# Altium PCB OldBoard.PcbDoc (part 2 of 3)
Units mm, origin at the board's own origin, x right, y up, seen from the top; angles counter-clockwise.
Board outline 125 x 109.7 mm, 2 copper layers (L1_Top, L14_Bot), stack 1.671 mm thick; 198 components, 135 nets, 569 pads, 819 vias.
Unrouted connection lines stored in the file: 121.
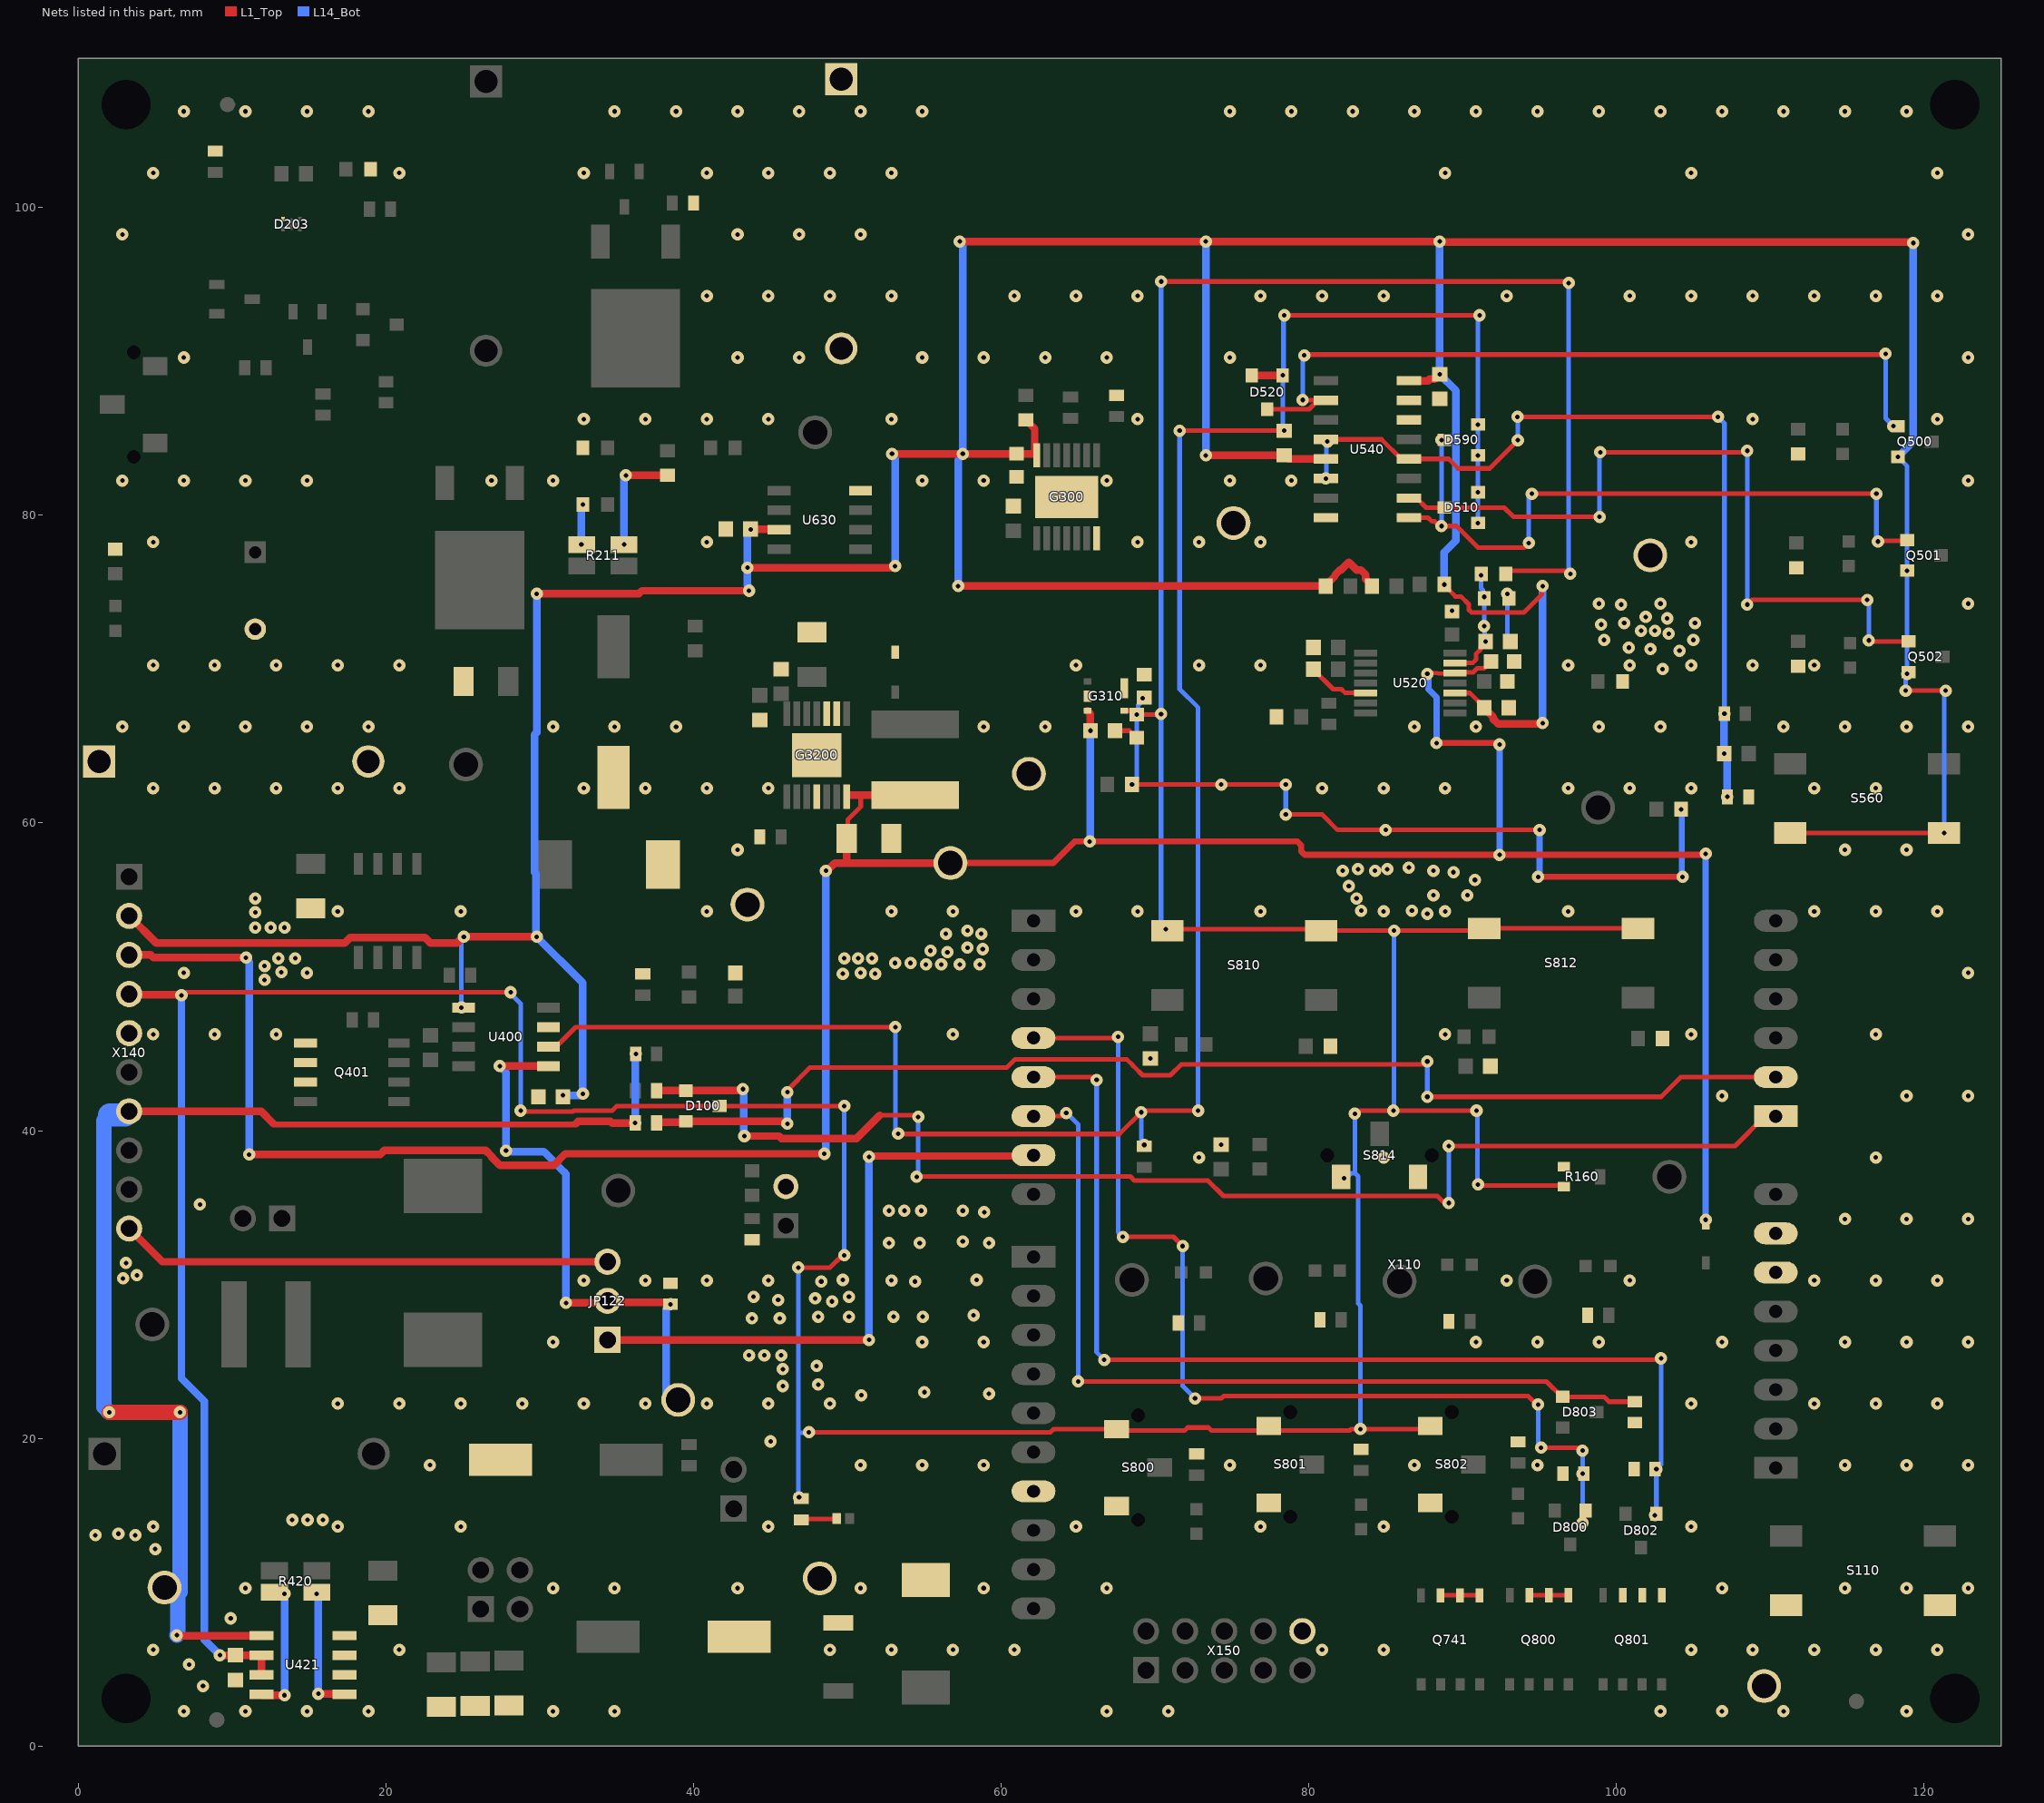
[diagram p2: the nets of this part, all layers, seen from the top]

## Part data (continued)
C213 C321 C324 C404 C700 C710 C711 C712: library part 648992, "CAP / CERA / 10uF / 50V / 20% / X5R (EIA) / -55°C to 85°C / 1206 (3216) / SMD / -", Manufacturer="Taiyo Yuden", Package Description="Capacitor,non-polarized,Chip;3.20mm L X 1.60mm W X 1.90mm H", Supplier Part Number 1=2779059, Temperature max=85, Temperature min=-55, Temperature Range=Military, Tolerance Neg=20%, Voltage DC (max)=50V, Alternate View=Yes, Application=Standard, Article Number=648992, Automotive Qualified=No, Combined Parameters="TC:X5R (EIA);Tol.:-20%/+20%;Vdc:50V", ComponentLink1Description="Vendor WebSite", ComponentLink1URL=http://www.yuden.co.jp/or/product/, ComponentLink2Description=Datasheet, ComponentLink2URL=http://webnetprod.muc.infineon.com/PCBPortal_Prod/WorkFlows/AltiumComponent/StandardDocumentation?Versionid=648993, ComponentStatus=Released, Manufacturer Order Number=UMK316BBJ106ML-T, Multiple Parts=No, PackageReference="1206 (3216)", Part Type=Capacitor, PLMStatus=Active, QuickPick="10uF / 50V / 20% / X5R (EIA) / 1206 (3216)", RoHS Compliant=Y, Second Source allowed=Yes, Style=Single, Supplier 1=Farnell, Supplier 2=DigiKey, Supplier 3=Mouser, Supplier Part Number 2=587-3248-1-ND, Supplier Part Number 3=963-UMK316BBJ106ML-T, Symbol Type="Capacitor; Single; Standard; 2 Pins", Technology=Ceramic, Tolerance Pos=20%, Type=Standard, Version Number=V00
C220 C300 C310 C320 C400 C401 C402 C500 C505 C520 C530 C533 C540 C630 C811 C813 C814: library part 479045, "CAP / CERA / 100nF / 50V / 10% / X7R (EIA) / -55°C to 125°C / 0603 / SMD / -", Manufacturer=AVX, Package Description="Capacitor,non-polarized,Chip;1.60mm L X 0.81mm W X 0.90mm H", Supplier Part Number 1=2280883, Temperature max=125, Temperature min=-55, Temperature Range=Military, Tolerance Neg=10%, Voltage DC (max)=50V, Alternate View=Yes, Application=Standard, Article Number=479045, Automotive Qualified=No, Combined Parameters="TC:X7R (EIA);Tol.:-10%/+10%;Vdc:50V", ComponentLink1Description="Vendor WebSite", ComponentLink1URL=http://www.avx.com, ComponentLink2Description=Datasheet, ComponentLink2URL=http://webnetprod.muc.infineon.com/PCBPortal_Prod/WorkFlows/AltiumComponent/StandardDocumentation?Versionid=479046, ComponentStatus=Released, Manufacturer Order Number=06035C104KAT2A, Multiple Parts=No, PackageReference=0603, Part Type=Capacitor, PLMStatus=Active, QuickPick="100nF / 50V / 10% / X7R (EIA) / 0603", RoHS Compliant=Y, Second Source allowed=Yes, Style=Single, Supplier 1=Farnell, Supplier 2=DigiKey, Supplier 3=Mouser, Supplier Part Number 2=478-5052-2-ND, Supplier Part Number 3=581-06035C104KAT2A, Symbol Type="Capacitor; Single; Standard; 2 Pins", Technology=Ceramic, Tolerance Pos=10%, Type=Standard, Version Number=V01
C221 C521 C522: library part 527788, "CAP / CERA / 1nF / 50V / 10% / X7R (EIA) / -55°C to 125°C / 0603 (1608) / SMD / -", Manufacturer="Wurth Elektronik", Package Description="Capacitor,non-polarized,Chip;1.60mm L X 0.80mm W X 0.87mm H", Supplier Part Number 1=2495178, Temperature max=125, Temperature min=-55, Temperature Range=Military, Tolerance Neg=10%, Voltage DC (max)=50V, Alternate View=Yes, Application=Standard, Article Number=527788, Automotive Qualified=No, Combined Parameters="TC:X7R (EIA);Tol.:-10%/+10%;Vdc:50V", ComponentLink1Description="Vendor WebSite", ComponentLink1URL=http://www.we-online.com, ComponentLink2Description=Datasheet, ComponentLink2URL=http://webnetprod.muc.infineon.com/PCBPortal_Prod/WorkFlows/AltiumComponent/StandardDocumentation?Versionid=527789, ComponentStatus=Released, Manufacturer Order Number=885012206083, Multiple Parts=No, PackageReference="0603 (1608)", Part Type=Capacitor, PLMStatus=Active, QuickPick="1nF / 50V / 10% / X7R (EIA) / 0603 (1608)", RoHS Compliant=Y, Second Source allowed=Yes, Style=Single, Supplier 1=Farnell, Supplier 2=DigiKey, Supplier 3=Mouser, Supplier Part Number 2=732-8001-1-ND, Supplier Part Number 3=710-885012206083, Symbol Type="Capacitor; Single; Standard; 2 Pins", Technology=Ceramic, Tolerance Pos=10%, Type=Standard, Version Number=V01
C301 C311 C312 C506: library part 310650, "CAP / CERA / 2.2uF / 25V / 10% / X5R (EIA) / -55°C to 85°C / 0603(1608) / SMD / -", Legacy PartNumber=CAP01010924, Manufacturer=MuRata, Package Description="Capacitor,non-polarized,Chip;1.60mm L X 0.80mm W X 0.90mm H", Package Imperial=0603, Package Metric=1608, Supplier Part Number 1=1845734RL, Temperature max=85, Temperature min=-55, Temperature Range=Military, Tolerance Neg=10%, Voltage DC (max)=25V, Alternate View=Yes, Article Number=310650, Automotive Qualified=No, Combined Parameters="TC:X5R (EIA);Tol.:-10%/+10%;Vdc:25V", ComponentLink1Description="Vendor WebSite", ComponentLink1URL=http://www.murata.com/, ComponentLink2Description=Datasheet, ComponentLink2URL=http://webnetprod.muc.infineon.com/PCBPortal_Prod/WorkFlows/AltiumComponent/StandardDocumentation?Versionid=310651, ComponentStatus=Released, Legacy DeviceID=CAP01010924, Manufacturer Order Number=GRM188R61E225KA12D, Multiple Parts=No, PackageReference="0603 (1608M)", Part Type=Capacitor, PLMStatus=Active, QuickPick="2.2uF / 25V / 10% / X5R (EIA) / 0603 (1608M)", RoHS Compliant=Y, Second Source allowed=Yes, Style=Single, Supplier 1=Farnell, Supplier 2=DigiKey, Supplier 3=Mouser, Supplier Part Number 2=490-10731-2-ND, Supplier Part Number 3=81-GRM188R61E225KA2D, Symbol Type="Capacitor; Single; Standard; 2 Pins", Technology=Ceramic, Tolerance Pos=10%, Type=Standard, Version Number=V01
D100 D510 D520 D590 D800 D802 D803: library part 430837, "Silicon Schottky Diode, LS(nH) 1.8, VR 30V", Legacy PartNumber=IFX01401370, Manufacturer="Infineon Technologies", Package Description="SOT,0.95mm pitch;3 pin,1.30mm W X 2.90mm L X 1.10mm H body", Supplier Part Number 1=2725759, Temperature max=150, Temperature min=0, Temperature Range=Military, Voltage DC (max)=na, Application=Standard, Article Number=430837, Automotive Qualified="AEC Q101", Combined Parameters=Vf:800mV;If:200mA;Ur:30V;Ir:2uA;Pmax:230mW, ComponentLink1Description="Vendor WebSite", ComponentLink1URL=https://www.infineon.com/, ComponentLink2Description=Datasheet, ComponentLink2URL=http://webnetprod.muc.infineon.com/PCBPortal_Prod/WorkFlows/AltiumComponent/StandardDocumentation?Versionid=430838, ComponentStatus=Released, Legacy DeviceID=IFX01401370, Manufacturer Order Number=BAT54-05, PackageReference=PG-SOT23-3-11, Part Type=Diode, PLMStatus=Active, QuickPick="Schottky Diode / PG-SOT23-3-11", RoHS Compliant=Y, Second Source allowed=Yes, Style=Dual, Supplier 1=Farnell, Supplier 2=DigiKey, Supplier 3=Mouser, Supplier Part Number 2=BAT5405E6327HTSA1TR-ND, Supplier Part Number 3=726-BAT5405E6327HTSA, Symbol Type="Dual Diode Symbol 3 Pins, 1 Anode, 2 Anode, 3 Cathode", Type="Schottky Diode", Version Number=V01
D112 D320: library part 420617, "Medium Power AF Schottky Diode", Legacy PartNumber=IFX01400145, Manufacturer="Infineon Technologies", Package Description=SOD323, Temperature max=125, Temperature min=-65, Temperature Range=Military, Voltage DC (max)=na, Application=Standard, Article Number=420617, Automotive Qualified="AEC Q101", Combined Parameters=Vf:410mV;If:1A;Ur:30V;Ir:200uA;Pmax:-, ComponentLink1Description="Vendor WebSite", ComponentLink1URL=https://www.infineon.com/, ComponentLink2Description=Datasheet, ComponentLink2URL=http://webnetprod.muc.infineon.com/PCBPortal_Prod/WorkFlows/AltiumComponent/StandardDocumentation?Versionid=420618, ComponentStatus=Released, Legacy DeviceID=IFX01400145, Manufacturer Order Number=BAS3010A-03W, PackageReference=SOD323, Part Type=Diode, PLMStatus=Active, QuickPick="Schottky Diode / SOD323", RoHS Compliant=Y, Second Source allowed=Yes, Style=Single, Supplier 1=Farnell, Supplier 2=DigiKey, Supplier 3=Mouser, Supplier Part Number 2=BAS3010A03WE6327HTSA1TR-ND, Supplier Part Number 3=726-BAS3010A-03WE6, Symbol Type="Standard Schottky Diode Symbol, 1 Cathode, 2 Anode", Type="Schottky Diode", Version Number=V01
D200 D201 D202: library part 659605, "Voltage regulator diodes", Manufacturer=Nexperia, Package Description="SOT,0.95mm,pitch;3 pin,1.30mm W X 2.90mm L X 1.10mm H body", Supplier Part Number 1=1081407, Temperature max=150, Temperature min=-65, Temperature Range=Military, Voltage DC (max)=na, Alternate View=Yes, Application=Standard, Article Number=659605, Automotive Qualified="AEC Q101", Combined Parameters=Vf:900mV;If:10mA;Ur:8V;Ir:100nA;Pmax:250mW, ComponentLink1Description="Vendor WebSite", ComponentLink1URL=http://www.nexperia.com, ComponentLink2Description=Datasheet, ComponentLink2URL=http://webnetprod.muc.infineon.com/PCBPortal_Prod/WorkFlows/AltiumComponent/StandardDocumentation?Versionid=659606, ComponentStatus=Released, Manufacturer Order Number=BZX84-C12,215, Multiple Parts=No, PackageReference=SOT-23, Part Type=Diode, PLMStatus=Active, QuickPick="Zener Diode / SOT-23", RoHS Compliant=Y, Second Source allowed=Yes, Style=Single, Supplier 1=Farnell, Supplier 2=DigiKey, Supplier 3=Mouser, Supplier Part Number 2=1727-2936-1-ND, Supplier Part Number 3=771-BZX84-C12-T/R, Symbol Type="Standard Zener Diode, 3 Pins, 1 Anode, 2 Not Connected, 3 Cathode", Type="Zener Diode", Version Number=V00
D203: library part 699359, "High Bandwidth Low-Iq Programmable Shunt Regulator", Manufacturer="Texas Instruments", Package Description="X2SON, SMD, 5 pin, 1.00 mm L X 1.00 mm W X 0.40 mm H body", Temperature max=125, Temperature min=-40, Temperature Range=Automotive, Voltage DC (max)=na, Alternate View=Yes, Article Number=699359, Automotive Qualified=No, Combined Parameters="- - -;Vo:2.5V to 36V", ComponentLink1Description="Vendor WebSite", ComponentLink1URL=http://www.ti.com, ComponentLink2Description=Datasheet, ComponentLink2URL=http://webnetprod.muc.infineon.com/PCBPortal_Prod/WorkFlows/AltiumComponent/StandardDocumentation?Versionid=699360, ComponentStatus=Released, Legacy DeviceID=TI_ATL431LIAQDQNR, Manufacturer Order Number=ATL431LIAQDQNR, Multiple Parts=No, PackageReference="2SON or SOT23-3", Part Type="Power Supply", PLMStatus=Active, QuickPick="2SON or SOT23-3", RoHS Compliant=Y, Second Source allowed=Yes, Supplier 1=Farnell, Supplier 2=DigiKey, Supplier 3=Mouser, Supplier Part Number 2=296-ATL431LIAQDQNRCT-ND, Supplier Part Number 3=595-ATL431LIAQDQNR, Symbol Type="High Bandwidth Low-Iq Programmable Shunt Regulator", Version Number=V00
D210 D502 D503 D550 D741 D801 D804 D805 D806 D807 D808: library part 625459, "WL-SMCW SMT Mono-color Chip LED Waterclear, Red,630nm", Manufacturer="Wurth Elektronik", Package Description="LED,Side Concave; 2 pin,1.60mm W X 0.80mm L X 0.80mm H", Supplier Part Number 1=2322071, Temperature max=85, Temperature min=-40, Temperature Range=Industrial, Voltage DC (max)=na, Application=Standard, Article Number=625459, Automotive Qualified=No, Combined Parameters=Vf:2.4V;If:30mA;Ur:5V;Ir:10uA;Pmax:72mW, ComponentLink1Description="Vendor WebSite", ComponentLink1URL=http://www.we-online.com, ComponentLink2Description=Datasheet, ComponentLink2URL=http://webnetprod.muc.infineon.com/PCBPortal_Prod/WorkFlows/AltiumComponent/StandardDocumentation?Versionid=625460, ComponentStatus=Released, Manufacturer Order Number=150060RS75000, PackageReference="1608 (0603)", Part Type=Diode, PLMStatus=Active, QuickPick="LED / 1608 (0603)", RoHS Compliant=Y, Second Source allowed=Yes, Style=Single, Supplier 1=Farnell, Supplier 2=DigiKey, Supplier 3=Mouser, Supplier Part Number 2=732-4978-1-ND, Supplier Part Number 3=710-150060RS75000, Symbol Type="Standard LED Symbol, 1 Cathode, 2 Anode", Type=LED, Version Number=V01
D211: library part 646382, "TVS Diode, Low Profile Package, Built in Strain Relief, Glass Passivated Chip Junction", Manufacturer=Littelfuse, Package Description="Diode,Molded Body;7.94mm L X 5.905mm W X 2.62mm H", Supplier Part Number 1=2777300, Temperature max=150, Temperature min=-65, Temperature Range=Military, Voltage DC (max)=na, Application=Standard, Article Number=646382, Automotive Qualified=No, Combined Parameters=Vf:5V;If:-;Ur:20V;Ir:2uA;Pmax:6.5W, ComponentLink1Description="Vendor WebSite", ComponentLink1URL=http://www.littelfuse.com/, ComponentLink2Description=Datasheet, ComponentLink2URL=http://webnetprod.muc.infineon.com/PCBPortal_Prod/WorkFlows/AltiumComponent/StandardDocumentation?Versionid=646383, ComponentStatus=Released, Manufacturer Order Number=SMDJ20A, PackageReference=DO-214AB, Part Type=Diode, PLMStatus=Active, QuickPick="TVS Diode / DO-214AB", RoHS Compliant=Y, Second Source allowed=Yes, Style=Single, Supplier 1=Farnell, Supplier 2=DigiKey, Supplier 3=Mouser, Supplier Part Number 2=SMDJ20ACT-ND, Supplier Part Number 3=576-SMDJ20A, Symbol Type="Transient Voltage Suppressor Diode (TVS, TAZ), 1 Cathode, 2 Anode", Type="TVS Diode", Version Number=V01
D730: library part 646377, "Surface Mount Transient Voltage Suppressors, Unidirectional, Very Fast Response Time", Manufacturer=Vishay, Package Description="Diode,Molded Body;7.94mm L X 5.905mm W X 2.62mm H", Temperature max=150, Temperature min=-55, Temperature Range=Military, Voltage DC (max)=na, Application=Switching, Article Number=646377, Automotive Qualified="AEC Q101", Combined Parameters=Vf:-;If:-;Ur:40V;Ir:-;Pmax:5kW, ComponentLink1Description="Vendor WebSite", ComponentLink1URL=http://www.vishay.com, ComponentLink2Description=Datasheet, ComponentLink2URL=http://webnetprod.muc.infineon.com/PCBPortal_Prod/WorkFlows/AltiumComponent/StandardDocumentation?Versionid=646378, ComponentStatus=Released, Manufacturer Order Number=SMC5K40A-M3/I, PackageReference="SMC (DO-214AB)", Part Type=Diode, PLMStatus=Active, QuickPick="TVS Diode / SMC (DO-214AB)", RoHS Compliant=Y, Second Source allowed=Yes, Style=Single, Supplier 1=Farnell, Supplier 2=DigiKey, Supplier 3=Mouser, Supplier Part Number 2=SMC5K40A-M3/IGICT-ND, Supplier Part Number 3=78-SMC5K40A-M3/I, Symbol Type="Transient Voltage Suppressor Diode (TVS, TAZ), 1 Cathode, 2 Anode", Type="TVS Diode", Version Number=V01
D731: library part 646087, "DIODE SCHOTTKY 60V 3A SOD128", Manufacturer=Nexperia, Package Description="SODFL Diode;3.80mm W X 2.50mm L X 1.10mm H body", Supplier Part Number 1=2311228, Temperature max=175, Temperature min=-55, Temperature Range=Military, Voltage DC (max)=na, Application=Standard, Article Number=646087, Automotive Qualified="AEC Q101", Combined Parameters=Vf:530mV;If:4.2A;Ur:60V;Ir:200uA;Pmax:750mW, ComponentLink1Description="Vendor WebSite", ComponentLink1URL=http://www.nexperia.com, ComponentLink2Description=Datasheet, ComponentLink2URL=http://webnetprod.muc.infineon.com/PCBPortal_Prod/WorkFlows/AltiumComponent/StandardDocumentation?Versionid=646088, ComponentStatus=Released, Manufacturer Order Number=PMEG6030ETPX, PackageReference=SOD128, Part Type=Diode, PLMStatus=Active, QuickPick="Schottky Diode / SOD128", RoHS Compliant=Y, Second Source allowed=Yes, Style=Single, Supplier 1=Farnell, Supplier 2=DigiKey, Supplier 3=Mouser, Supplier Part Number 2=1727-1348-1-ND, Supplier Part Number 3=771-PMEG6030ETPX, Symbol Type="Standard Schottky Diode Symbol, 1 Cathode, 2 Anode", Type="Schottky Diode", Version Number=V01
E100 E101 E102: library part 416637, "Fiducial Mark", Legacy PartNumber=MEC10000008, Manufacturer="Infineon Technologies", Temperature max=0, Temperature Range=Military, Voltage DC (max)=na, Alternate View=No, Article Number=416637, Combined Parameters="- - -x- -", ComponentLink1Description="Vendor WebSite", ComponentLink1URL=https://www.infineon.com/, ComponentLink2Description=Datasheet, ComponentLink2URL=http://webnetprod.muc.infineon.com/PCBPortal_Prod/WorkFlows/AltiumComponent/StandardDocumentation?Versionid=416638, ComponentStatus=Released, Legacy DeviceID=MEC_Fiducial_Mark, Multible Parts=No, Part Type=Mechanical, PLMStatus=Active, Second Source allowed=Yes, Supplier 1=Farnell, Supplier 2=DigiKey, Supplier 3=Mouser, Symbol Type="Fiducial Marker For PCB", Temperature min=0, Version Number=V01
G300: library part 431580, "Low Dropout Adjustable Standby Voltage Regulator", Legacy PartNumber=IFX01401452, Manufacturer="Infineon Technologies", Package Description="SOP,0.65mm pitch;14 pin,3.90mm W X 4.90mm L X 1.15mm H body (w/thermal tab)", Temperature max=150, Temperature min=-40, Temperature Range=Automotive, Voltage DC (max)=na, Alternate View=No, Article Number=431580, Automotive Qualified=Yes, Combined Parameters="Linear Not applicable -;Vo:1.2V to 20V", ComponentLink1Description="Vendor WebSite", ComponentLink1URL=https://www.infineon.com/, ComponentLink2Description=Datasheet, ComponentLink2URL=http://webnetprod.muc.infineon.com/PCBPortal_Prod/WorkFlows/AltiumComponent/StandardDocumentation?Versionid=431581, ComponentStatus=Released, Legacy DeviceID=IFX_TLT807B0EPV, Manufacturer Order Number=TLT807B0EPV, Multiple Parts=No, PackageReference=PG-TSDSO-14, Part Type="Power Supply", PLMStatus=Active, QuickPick="Linear / PG-TSDSO-14", RoHS Compliant=Y, Second Source allowed=Yes, Style="Not applicable", Supplier 1=Farnell, Supplier 2=DigiKey, Supplier 3=Mouser, Supplier Part Number 2=TLT807B0EPVXUMA1TR-ND, Supplier Part Number 3=726-TLT807B0EPVXUMA1, Symbol Type="Low Dropout Adjustable Standby Voltage Regulator", Type=Linear, Version Number=V01
G310: library part 617559, Manufacturer="Infineon Technologies", Package Description="PG-SCT595-5-2; 5 pin, 1.60 mm L X 2.90 mm W X 1.1 mm H body", Supplier Part Number 1=2762385, Temperature max=150, Temperature min=-40, Temperature Range=Automotive, Voltage DC (max)=na, Alternate View=No, Article Number=617559, Automotive Qualified=Yes, Combined Parameters="- - -;Vo:3.17V to 3.43V", ComponentLink1Description="Vendor WebSite", ComponentLink1URL=https://www.infineon.com/, ComponentLink2Description=Datasheet, ComponentLink2URL=http://webnetprod.muc.infineon.com/PCBPortal_Prod/WorkFlows/AltiumComponent/StandardDocumentation?Versionid=617560, ComponentStatus=Released, Legacy DeviceID="IFX_TLE4295G V33", Manufacturer Order Number="TLE4295G V33", Multiple Parts=No, PackageReference=PG-SCT595-5-2, Part Type="Power Supply", PLMStatus=Active, QuickPick=PG-SCT595-5-2, RoHS Compliant=Y, Second Source allowed=Yes, Supplier 1=Farnell, Supplier 2=DigiKey, Supplier 3=Mouser, Supplier Part Number 2=448-TLE4295GV33HTSA1CT-ND, Supplier Part Number 3=726-TLE4295GV33HTSA1, Symbol Type="5-V Voltage Regulator", Version Number=V01
G3200: library part 508204, "2.2 MHz Step-Down Regulator 500 mA, 5 V, low quiescent current", Manufacturer="Infineon Technologies", Package Description="SOP,0.65mm pitch;14 pin,3.90mm W X 4.90mm L X 1.70mm H body (w/thermal tab)", Temperature max=150, Temperature min=-40, Temperature Range=Automotive, Voltage DC (max)=na, Article Number=508204, Automotive Qualified="AEC Q100", Combined Parameters="- - -;Vo:- to -", ComponentLink1Description="Vendor WebSite", ComponentLink1URL=https://www.infineon.com/, ComponentLink2Description=Datasheet, ComponentLink2URL=http://webnetprod.muc.infineon.com/PCBPortal_Prod/WorkFlows/AltiumComponent/StandardDocumentation?Versionid=508205, ComponentStatus=Released, Legacy DeviceID=IFX-TLF50211EL, Manufacturer Order Number=TLF50211EL, PackageReference=PG-SSOP-14-3, Part Type="Power Supply", PLMStatus=Active, QuickPick=PG-SSOP-14-3, RoHS Compliant=Y, Second Source allowed=Yes, Supplier 1=Farnell, Supplier 2=DigiKey, Supplier 3=Mouser, Supplier Part Number 2=TLF50211ELXUMA2-ND, Supplier Part Number 3=726-TLF50211ELXUMA2, Symbol Type="2.2 MHz Step-Down Regulator", Version Number=V01
JP122: library part 633993, "WR-PHD Pin Header", Manufacturer="Wurth Elektronik", Package Description="Connector, THT; 2.54mm pitch, 7.62 mm L X 2.54 mm X 8.89 mm H body", Supplier Part Number 1=2356154, Temperature max=105, Temperature min=-40, Temperature Range=Industrial, Voltage DC (max)=na, Article Number=633993, Automotive Qualified=No, Combined Parameters="Board-to-Cable Header (male);3x1;Mounting:THT;Orient:0° (vertical);Shielded:No", ComponentLink1Description="Vendor WebSite", ComponentLink1URL=http://www.we-online.com, ComponentLink2Description=Datasheet, ComponentLink2URL=http://webnetprod.muc.infineon.com/PCBPortal_Prod/WorkFlows/AltiumComponent/StandardDocumentation?Versionid=633994, ComponentStatus=Released, Legacy DeviceID=WE_61300311121, Manufacturer Order Number=61300311121, PackageReference=THT, Part Type=Connector, PLMStatus=Active, QuickPick="0° (vertical) / Board-to-Cable", RoHS Compliant=Y, Second Source allowed=Yes, Style=Strip, Supplier 1=Farnell, Supplier 2=DigiKey, Supplier 3=Mouser, Supplier Part Number 2=732-5316-ND, Supplier Part Number 3=710-61300311121, Type=Board-to-Cable, Version Number=V01
JP421 X720: library part 386760, "Header, 2.54mm Pitch, 2 pin, Vertical, Single Row", Legacy PartNumber=CON01500943, Manufacturer="Wurth Elektronik", Package Description="Header, Vertical, 2.54mm Pitch; 2 Pins, Single row, 5.08mm L X 2.54mm W X 8.89mm H body", Supplier Part Number 1=2356153, Temperature max=105, Temperature min=-40, Temperature Range=Industrial, Voltage DC (max)=na, Alternat View=Yes, Article Number=386760, Automotive Qualified=No, Combined Parameters="Board-to-Board Header (male);2x1;Mounting:THT;Orient:0° (vertical);Shielded:No", ComponentLink1Description="Vendor WebSite", ComponentLink1URL=http://www.we-online.com, ComponentLink2Description=Datasheet, ComponentLink2URL=http://webnetprod.muc.infineon.com/PCBPortal_Prod/WorkFlows/AltiumComponent/StandardDocumentation?Versionid=386761, ComponentStatus=Released, Legacy DeviceID=WE_61300211121, Manufacturer Order Number=61300211121, Part Type=Connector, PLMStatus=Active, QuickPick="0° (vertical) / Board-to-Board", RoHS Compliant=Y, Second Source allowed=Yes, Style=Strip, Supplier 1=Farnell, Supplier 2=DigiKey, Supplier 3=Mouser, Supplier Part Number 2=732-5315-ND, Supplier Part Number 3=710-61300211121, Type=Board-to-Board, Version Number=V01
JP710: library part 624445, "Header, 4pins, 2.54mm pitch, Board to Board", Manufacturer="Wurth Elektronik", Package Description="Connector, THT, 2.54mm pitch, 4 pins,5.08mm L X 5.08mm W X 8.89mm H body", Supplier Part Number 1=2356130, Temperature max=105, Temperature min=-40, Temperature Range=Industrial, Voltage DC (max)=na, Article Number=624445, Automotive Qualified=No, Combined Parameters="Board-to-Board Header (male);2x2;Mounting:THT;Orient:0° (vertical);Shielded:No", ComponentLink1Description="Vendor WebSite", ComponentLink1URL=http://www.we-online.com, ComponentLink2Description=Datasheet, ComponentLink2URL=http://webnetprod.muc.infineon.com/PCBPortal_Prod/WorkFlows/AltiumComponent/StandardDocumentation?Versionid=624446, ComponentStatus=Released, Legacy DeviceID=WE_61300421121, Manufacturer Order Number=61300421121, PackageReference=THT, Part Type=Connector, PLMStatus=Active, QuickPick="0° (vertical) / Board-to-Board", RoHS Compliant=Y, Second Source allowed=Yes, Style=Strip, Supplier 1=Farnell, Supplier 2=DigiKey, Supplier 3=Mouser, Supplier Part Number 2=732-5294-ND, Supplier Part Number 3=710-61300421121, Type=Board-to-Board, Version Number=V01